# Altium PCB Goldstrike1_Rev01.PcbDoc (part 1 of 7) (continued)
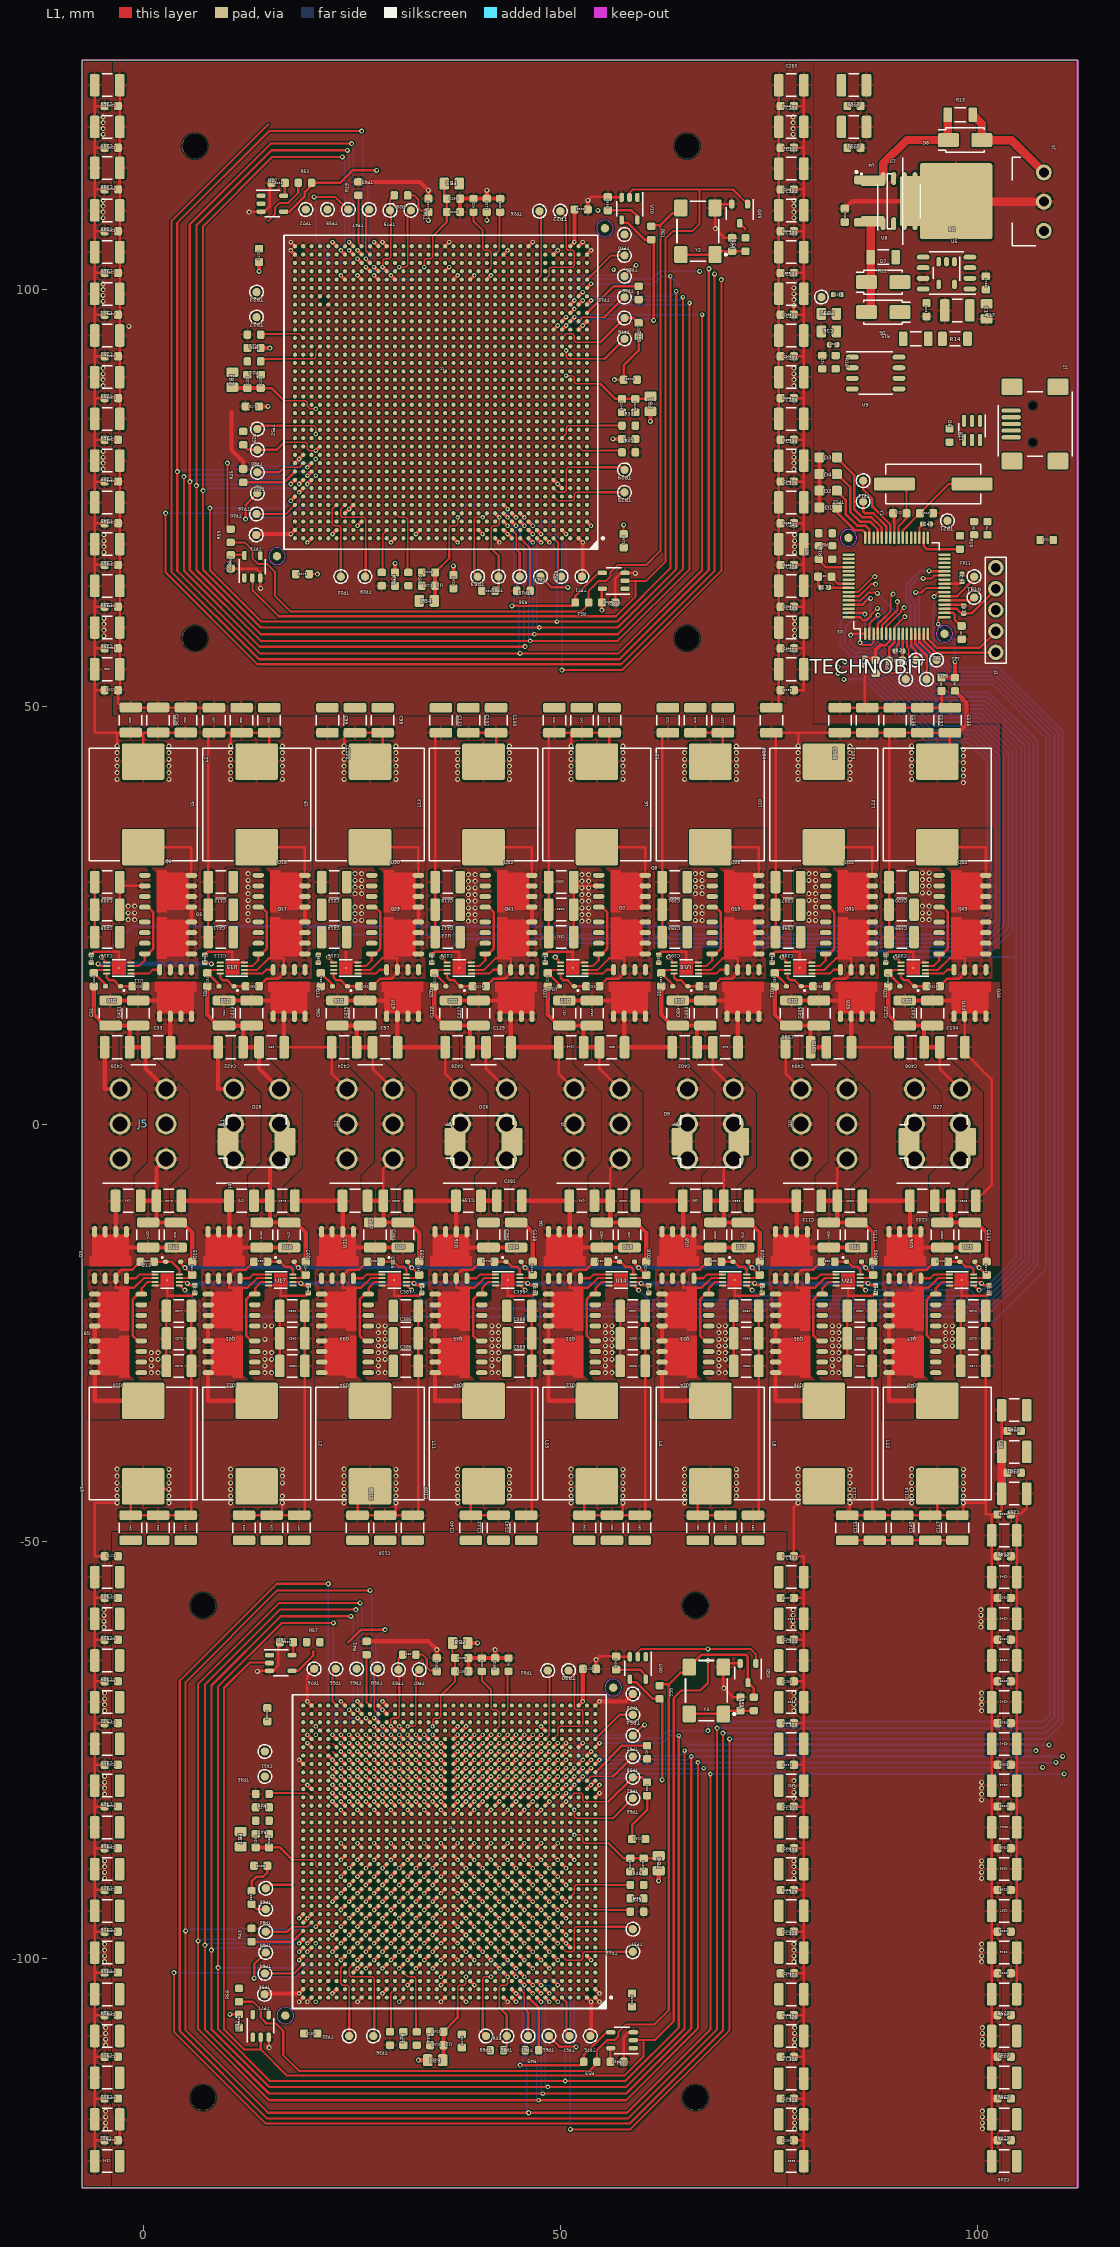
[diagram p0: L1 view]
## Design rules (kind name [scope] priority, off if disabled: settings) (continued)
PlaneConnect "Power Plane Connect Style for J12-3" [(Name='J12-3')] p36: planeconnectstyle=Relief reliefexpansion=0.3 reliefentries=4 reliefconductorwidth=0.38 reliefairgap=0.254
PlaneConnect "Power Plane Connect Style for J12-2" [(Name='J12-2')] p37: planeconnectstyle=Relief reliefexpansion=0.3 reliefentries=4 reliefconductorwidth=0.38 reliefairgap=0.254
PlaneConnect "Power Plane Connect Style for J12-1" [(Name='J12-1')] p38: planeconnectstyle=Relief reliefexpansion=0.3 reliefentries=4 reliefconductorwidth=0.38 reliefairgap=0.254
PlaneConnect "Power Plane Connect Style for J11-6" [(Name='J11-6')] p39: planeconnectstyle=Relief reliefexpansion=0.3 reliefentries=4 reliefconductorwidth=0.38 reliefairgap=0.254
PlaneConnect "Power Plane Connect Style for J11-5" [(Name='J11-5')] p40: planeconnectstyle=Relief reliefexpansion=0.3 reliefentries=4 reliefconductorwidth=0.38 reliefairgap=0.254
PlaneConnect "Power Plane Connect Style for J11-4" [(Name='J11-4')] p41: planeconnectstyle=Relief reliefexpansion=0.3 reliefentries=4 reliefconductorwidth=0.38 reliefairgap=0.254
PlaneConnect "Power Plane Connect Style for J11-3" [(Name='J11-3')] p42: planeconnectstyle=Relief reliefexpansion=0.3 reliefentries=4 reliefconductorwidth=0.38 reliefairgap=0.254
PlaneConnect "Power Plane Connect Style for J11-2" [(Name='J11-2')] p43: planeconnectstyle=Relief reliefexpansion=0.3 reliefentries=4 reliefconductorwidth=0.38 reliefairgap=0.254
PlaneConnect "Power Plane Connect Style for J11-1" [(Name='J11-1')] p44: planeconnectstyle=Relief reliefexpansion=0.3 reliefentries=4 reliefconductorwidth=0.38 reliefairgap=0.254
PlaneConnect "Power Plane Connect Style for J10-6" [(Name='J10-6')] p45: planeconnectstyle=Relief reliefexpansion=0.3 reliefentries=4 reliefconductorwidth=0.38 reliefairgap=0.254
PlaneConnect "Power Plane Connect Style for J10-5" [(Name='J10-5')] p46: planeconnectstyle=Relief reliefexpansion=0.3 reliefentries=4 reliefconductorwidth=0.38 reliefairgap=0.254
PlaneConnect "Power Plane Connect Style for J10-4" [(Name='J10-4')] p47: planeconnectstyle=Relief reliefexpansion=0.3 reliefentries=4 reliefconductorwidth=0.38 reliefairgap=0.254
PlaneConnect "Power Plane Connect Style for J10-3" [(Name='J10-3')] p48: planeconnectstyle=Relief reliefexpansion=0.3 reliefentries=4 reliefconductorwidth=0.38 reliefairgap=0.254
PlaneConnect "Power Plane Connect Style for J10-2" [(Name='J10-2')] p49: planeconnectstyle=Relief reliefexpansion=0.3 reliefentries=4 reliefconductorwidth=0.38 reliefairgap=0.254
PlaneConnect "Power Plane Connect Style for J10-1" [(Name='J10-1')] p50: planeconnectstyle=Relief reliefexpansion=0.3 reliefentries=4 reliefconductorwidth=0.38 reliefairgap=0.254
PlaneConnect "Power Plane Connect Style for J1-1" [(Name='J1-1')] p51: planeconnectstyle=Relief reliefexpansion=0.3 reliefentries=4 reliefconductorwidth=0.28 reliefairgap=0.2
PlaneConnect "Power Plane Connect Style - pads with no thermal" [(Name='11-1') Or (Name='11-2') Or (Name='11-3') Or (Name='11-4') Or (Name='21-1') Or (Name='21-2') Or (Name='21-3') Or (Name='21-4') Or (Name='J1-3') Or (Name='J2-10') Or (Name='J2-11') Or (Name='J5-5')] p52: planeconnectstyle=NoConnect reliefexpansion=0.508 reliefentries=4 reliefconductorwidth=0.254 reliefairgap=0.254 // PAD - No Thermal Connect Rule
PlaneConnect "Power Plane Connect Style - Via from round thru-hole global defaults" [IsVia] p53: planeconnectstyle=Direct reliefexpansion=0.508 reliefentries=4 reliefconductorwidth=0.5 reliefairgap=0.254
PlaneConnect "Power Plane Connect Style - Round thru-hole pad from global defaults" [IsPad And OnMultiLayer And (PadShape_MidLayer1 = 'Round') And (PadXSize_MidLayer1 = PadYSize_MidLayer1)] p54: planeconnectstyle=Relief reliefexpansion=0.508 reliefentries=4 reliefconductorwidth=0.5 reliefairgap=0.254
PlaneConnect "Power Plane Connect Style - Square thru-hole pad from global defaults" [IsPad And OnMultiLayer And ((PadShape_MidLayer1 = 'Rectangular') Or (PadShape_MidLayer1 = 'Octagonal') Or (PadShape_MidLayer1 = 'Rounded Rectangle')) And (PadXSize_MidLayer1 = PadYSize_MidLayer1)] p55: planeconnectstyle=Relief reliefexpansion=0.508 reliefentries=4 reliefconductorwidth=0.5 reliefairgap=0.254
PlaneConnect "Power Plane Connect Style - Rect thru-hole pad from global defaults" [IsPad And OnMultiLayer And ((PadShape_MidLayer1 = 'Rectangular') Or (PadShape_MidLayer1 = 'Octagonal') Or (PadShape_MidLayer1 = 'Rounded Rectangle')) And (PadXSize_MidLayer1 <> PadYSize_MidLayer1)] p56: planeconnectstyle=Relief reliefexpansion=0.508 reliefentries=4 reliefconductorwidth=0.5 reliefairgap=0.254
PlaneConnect "Power Plane Connect Style - Square-rect thru-hole pad from global defaults" [IsPad And OnMultiLayer And (PadShape_MidLayer1 = 'Rounded Rectangle') And (PadXSize_MidLayer1 = PadYSize_MidLayer1) And (Pad_CornerRadius_MidLayer1 = '0%')] p57: planeconnectstyle=Relief reliefexpansion=0.508 reliefentries=4 reliefconductorwidth=0.5 reliefairgap=0.254
PlaneConnect "Power Plane Connect Style - Oval thru-hole pad from global defaults" [IsPad And OnMultiLayer And (PadShape_MidLayer1 = 'Round') And (PadXSize_MidLayer1 <> PadYSize_MidLayer1)] p58: planeconnectstyle=Relief reliefexpansion=0.508 reliefentries=4 reliefconductorwidth=0.5 reliefairgap=0.254
PlaneConnect "Power Plane Connect Style - Round-oval thru-hole pad from global defaults" [IsPad And OnMultiLayer And (PadShape_MidLayer1 = 'Rounded Rectangle') And (PadXSize_MidLayer1 = PadYSize_MidLayer1) And (Pad_CornerRadius_MidLayer1 = '100%')] p59: planeconnectstyle=Relief reliefexpansion=0.508 reliefentries=4 reliefconductorwidth=0.5 reliefairgap=0.254
PolygonConnect "Polygon Connect Style - L4 Round SMD from global defaults" [IsSMTPin And (PadShape_BottomLayer = 'Round') And (PadXSize_BottomLayer = PADYSize_BottomLayer) vs Layer = 'L4'] p1: connectstyle=Relief reliefconductorwidth=0.3 reliefentries=4 polygonreliefangle="45 Angle" airgapwidth=0.254
PolygonConnect "Polygon Connect Style - L1 Round SMD from global defaults" [IsSMTPin And (PadShape_TopLayer = 'Round') And (PadXSize_TopLayer = PADYSize_TopLayer) vs Layer = 'L1'] p2: connectstyle=Relief reliefconductorwidth=0.3 reliefentries=4 polygonreliefangle="45 Angle" airgapwidth=0.254
PolygonConnect "Polygon Connect Style - L4 Square SMD from global defaults 1" [IsSMTPin And (PadShape_BottomLayer = 'Rectangular') And (PadXSize_BottomLayer = PADYSize_BottomLayer) vs Layer = 'L4'] p3: connectstyle=Relief reliefconductorwidth=0.3 reliefentries=4 polygonreliefangle="90 Angle" airgapwidth=0.254
PolygonConnect "Polygon Connect Style - L4 Square SMD from global defaults 2" [IsSMTPin And (PadShape_BottomLayer = 'Octagonal') And (PadXSize_BottomLayer = PADYSize_BottomLayer) vs Layer = 'L4'] p4: connectstyle=Relief reliefconductorwidth=0.3 reliefentries=4 polygonreliefangle="90 Angle" airgapwidth=0.254
PolygonConnect "Polygon Connect Style - L4 Square SMD from global defaults 3" [IsSMTPin And (PadShape_BottomLayer = 'Rounded Rectangle') And (PadXSize_BottomLayer = PADYSize_BottomLayer) vs Layer = 'L4'] p5: connectstyle=Relief reliefconductorwidth=0.3 reliefentries=4 polygonreliefangle="90 Angle" airgapwidth=0.254
PolygonConnect "Polygon Connect Style - L1 Square SMD from global defaults 1" [IsSMTPin And (PadShape_TopLayer = 'Rectangular') And (PadXSize_TopLayer = PADYSize_TopLayer) vs Layer = 'L1'] p6: connectstyle=Relief reliefconductorwidth=0.3 reliefentries=4 polygonreliefangle="90 Angle" airgapwidth=0.254
PolygonConnect "Polygon Connect Style - L1 Square SMD from global defaults 2" [IsSMTPin And (PadShape_TopLayer = 'Octagonal') And (PadXSize_TopLayer = PADYSize_TopLayer) vs Layer = 'L1'] p7: connectstyle=Relief reliefconductorwidth=0.3 reliefentries=4 polygonreliefangle="90 Angle" airgapwidth=0.254
PolygonConnect "Polygon Connect Style - L1 Square SMD from global defaults 3" [IsSMTPin And (PadShape_TopLayer = 'Rounded Rectangle') And (PadXSize_TopLayer = PADYSize_TopLayer) vs Layer = 'L1'] p8: connectstyle=Relief reliefconductorwidth=0.3 reliefentries=4 polygonreliefangle="90 Angle" airgapwidth=0.254
PolygonConnect "Polygon Connect Style - L4 Rect SMD from global defaults 1" [IsSMTPin And (PadShape_BottomLayer = 'Rectangular') And (PadXSize_BottomLayer <> PADYSize_BottomLayer) vs Layer = 'L4'] p9: connectstyle=Relief reliefconductorwidth=0.3 reliefentries=4 polygonreliefangle="90 Angle" airgapwidth=0.254
PolygonConnect "Polygon Connect Style - L4 Rect SMD from global defaults 2" [IsSMTPin And (PadShape_BottomLayer = 'Octagonal') And (PadXSize_BottomLayer <> PADYSize_BottomLayer) vs Layer = 'L4'] p10: connectstyle=Relief reliefconductorwidth=0.3 reliefentries=4 polygonreliefangle="90 Angle" airgapwidth=0.254
PolygonConnect "Polygon Connect Style - L4 Rect SMD from global defaults 3" [IsSMTPin And (PadShape_BottomLayer = 'Rounded Rectangle') And (PadXSize_BottomLayer <> PADYSize_BottomLayer) vs Layer = 'L4'] p11: connectstyle=Relief reliefconductorwidth=0.3 reliefentries=4 polygonreliefangle="90 Angle" airgapwidth=0.254
PolygonConnect "Polygon Connect Style - L4 Square-rect SMD pad from global defaults" [IsSMTPin And (PadShape_BottomLayer = 'Rounded Rectangle') And (PadXSize_BottomLayer = PADYSize_BottomLayer) And (Pad_CornerRadius_BottomLayer = '0%') vs Layer = 'L4'] p12: connectstyle=Relief reliefconductorwidth=0.3 reliefentries=4 polygonreliefangle="90 Angle" airgapwidth=0.254
PolygonConnect "Polygon Connect Style - L1 Rect SMD from global defaults 1" [IsSMTPin And (PadShape_TopLayer = 'Rectangular') And (PadXSize_TopLayer <> PADYSize_TopLayer) vs Layer = 'L1'] p13: connectstyle=Relief reliefconductorwidth=0.3 reliefentries=4 polygonreliefangle="90 Angle" airgapwidth=0.254
PolygonConnect "Polygon Connect Style - L1 Rect SMD from global defaults 2" [IsSMTPin And (PadShape_TopLayer = 'Octagonal') And (PadXSize_TopLayer <> PADYSize_TopLayer) vs Layer = 'L1'] p14: connectstyle=Relief reliefconductorwidth=0.3 reliefentries=4 polygonreliefangle="90 Angle" airgapwidth=0.254
PolygonConnect "Polygon Connect Style - L1 Rect SMD from global defaults 3" [IsSMTPin And (PadShape_TopLayer = 'Rounded Rectangle') And (PadXSize_TopLayer <> PADYSize_TopLayer) vs Layer = 'L1'] p15: connectstyle=Relief reliefconductorwidth=0.3 reliefentries=4 polygonreliefangle="90 Angle" airgapwidth=0.254
PolygonConnect "Polygon Connect Style - L1 Square-rect SMD pad from global defaults" [IsSMTPin And (PadShape_TopLayer = 'Rounded Rectangle') And (PadXSize_TopLayer = PADYSize_TopLayer) And (Pad_CornerRadius_TopLayer = '0%') vs Layer = 'L1'] p16: connectstyle=Relief reliefconductorwidth=0.3 reliefentries=4 polygonreliefangle="90 Angle" airgapwidth=0.254
PolygonConnect "Polygon Connect Style - L4 Oval SMD from global defaults" [IsSMTPin And (PadShape_BottomLayer = 'Round') And (PadXSize_BottomLayer <> PADYSize_BottomLayer) vs Layer = 'L4'] p17: connectstyle=Relief reliefconductorwidth=0.3 reliefentries=4 polygonreliefangle="45 Angle" airgapwidth=0.254
PolygonConnect "Polygon Connect Style - L4 Round-oval SMD pad from global defaults" [IsSMTPin And (PadShape_BottomLayer = 'Rounded Rectangle') And (PadXSize_BottomLayer = PADYSize_BottomLayer) And (Pad_CornerRadius_BottomLayer = '100%') vs Layer = 'L4'] p18: connectstyle=Relief reliefconductorwidth=0.3 reliefentries=4 polygonreliefangle="45 Angle" airgapwidth=0.254
PolygonConnect "Polygon Connect Style - L1 Oval SMD from global defaults" [IsSMTPin And (PadShape_TopLayer = 'Round') And (PadXSize_TopLayer <> PADYSize_TopLayer) vs Layer = 'L1'] p19: connectstyle=Relief reliefconductorwidth=0.3 reliefentries=4 polygonreliefangle="45 Angle" airgapwidth=0.254
PolygonConnect "Polygon Connect Style - L1 Round-oval SMD pad from global defaults" [IsSMTPin And (PadShape_TopLayer = 'Rounded Rectangle') And (PadXSize_TopLayer = PADYSize_TopLayer) And (Pad_CornerRadius_TopLayer = '100%') vs Layer = 'L1'] p20: connectstyle=Relief reliefconductorwidth=0.3 reliefentries=4 polygonreliefangle="45 Angle" airgapwidth=0.254
PolygonConnect "Polygon Connect Style - Via from round thru-hole global defaults_62" [IsVia] p21: connectstyle=Direct reliefconductorwidth=0.5 reliefentries=4 polygonreliefangle="90 Angle" airgapwidth=0.254
PolygonConnect "Polygon Connect Style - L4 Round thru-hole pad from global defaults" [IsPad And OnMultiLayer And (PadShape_BottomLayer = 'Round') And (PadXSize_BottomLayer = PADYSize_BottomLayer) vs Layer = 'L4'] p22: connectstyle=Relief reliefconductorwidth=0.5 reliefentries=4 polygonreliefangle="90 Angle" airgapwidth=0.254
PolygonConnect "Polygon Connect Style - Via from round thru-hole global defaults_61" [IsVia] p23: connectstyle=Direct reliefconductorwidth=0.5 reliefentries=4 polygonreliefangle="90 Angle" airgapwidth=0.254
PolygonConnect "Polygon Connect Style - L3 Round thru-hole pad from global defaults" [IsPad And OnMultiLayer And (PadShape_MidLayer1 = 'Round') And (PadXSize_MidLayer1 = PADYSize_MidLayer1) vs Layer = 'L3'] p24: connectstyle=Relief reliefconductorwidth=0.5 reliefentries=4 polygonreliefangle="90 Angle" airgapwidth=0.254
PolygonConnect "Polygon Connect Style - Via from round thru-hole global defaults" [IsVia] p25: connectstyle=Direct reliefconductorwidth=0.5 reliefentries=4 polygonreliefangle="90 Angle" airgapwidth=0.254
PolygonConnect "Polygon Connect Style - L1 Round thru-hole pad from global defaults" [IsPad And OnMultiLayer And (PadShape_TopLayer = 'Round') And (PadXSize_TopLayer = PADYSize_TopLayer) vs Layer = 'L1'] p26: connectstyle=Relief reliefconductorwidth=0.5 reliefentries=4 polygonreliefangle="90 Angle" airgapwidth=0.254
PolygonConnect "Polygon Connect Style - L4 Square thru-hole pad from global defaults" [IsPad And OnMultiLayer And ((PadShape_BottomLayer = 'Rectangular') Or (PadShape_BottomLayer = 'Octagonal') Or (PadShape_BottomLayer = 'Rounded Rectangle')) And (PadXSize_BottomLayer = PADYSize_BottomLayer) vs Layer = 'L4'] p27: connectstyle=Relief reliefconductorwidth=0.5 reliefentries=4 polygonreliefangle="90 Angle" airgapwidth=0.254
PolygonConnect "Polygon Connect Style - L3 Square thru-hole pad from global defaults" [IsPad And OnMultiLayer And ((PadShape_MidLayer1 = 'Rectangular') Or (PadShape_MidLayer1 = 'Octagonal') Or (PadShape_MidLayer1 = 'Rounded Rectangle')) And (PadXSize_MidLayer1 = PADYSize_MidLayer1) vs Layer = 'L3'] p28: connectstyle=Relief reliefconductorwidth=0.5 reliefentries=4 polygonreliefangle="90 Angle" airgapwidth=0.254
PolygonConnect "Polygon Connect Style - L1 Square thru-hole pad from global defaults" [IsPad And OnMultiLayer And ((PadShape_TopLayer = 'Rectangular') Or (PadShape_TopLayer = 'Octagonal') Or (PadShape_TopLayer = 'Rounded Rectangle')) And (PadXSize_TopLayer = PADYSize_TopLayer) vs Layer = 'L1'] p29: connectstyle=Relief reliefconductorwidth=0.5 reliefentries=4 polygonreliefangle="90 Angle" airgapwidth=0.254
PolygonConnect "Polygon Connect Style - L4 Rect thru-hole pad from global defaults" [IsPad And OnMultiLayer And ((PadShape_BottomLayer = 'Rectangular') Or (PadShape_BottomLayer = 'Octagonal') Or (PadShape_BottomLayer = 'Rounded Rectangle')) And (PadXSize_BottomLayer <> PADYSize_BottomLayer) vs Layer = 'L4'] p30: connectstyle=Relief reliefconductorwidth=0.5 reliefentries=4 polygonreliefangle="90 Angle" airgapwidth=0.254
PolygonConnect "Polygon Connect Style - L4 Square-rect thru-hole pad from global defaults" [IsPad And OnMultiLayer And (PadShape_BottomLayer = 'Rounded Rectangle') And (PadXSize_BottomLayer = PADYSize_BottomLayer) And (Pad_CornerRadius_BottomLayer = '0%') vs Layer = 'L4'] p31: connectstyle=Relief reliefconductorwidth=0.5 reliefentries=4 polygonreliefangle="90 Angle" airgapwidth=0.254
PolygonConnect "Polygon Connect Style - L3 Rect thru-hole pad from global defaults" [IsPad And OnMultiLayer And ((PadShape_MidLayer1 = 'Rectangular') Or (PadShape_MidLayer1 = 'Octagonal') Or (PadShape_MidLayer1 = 'Rounded Rectangle')) And (PadXSize_MidLayer1 <> PADYSize_MidLayer1) vs Layer = 'L3'] p32: connectstyle=Relief reliefconductorwidth=0.5 reliefentries=4 polygonreliefangle="90 Angle" airgapwidth=0.254
PolygonConnect "Polygon Connect Style - L3 Square-rect thru-hole pad from global defaults" [IsPad And OnMultiLayer And (PadShape_MidLayer1 = 'Rounded Rectangle') And (PadXSize_MidLayer1 = PADYSize_MidLayer1) And (Pad_CornerRadius_MidLayer1 = '0%') vs Layer = 'L3'] p33: connectstyle=Relief reliefconductorwidth=0.5 reliefentries=4 polygonreliefangle="90 Angle" airgapwidth=0.254
PolygonConnect "Polygon Connect Style - L1 Rect thru-hole pad from global defaults" [IsPad And OnMultiLayer And ((PadShape_TopLayer = 'Rectangular') Or (PadShape_TopLayer = 'Octagonal') Or (PadShape_TopLayer = 'Rounded Rectangle')) And (PadXSize_TopLayer <> PADYSize_TopLayer) vs Layer = 'L1'] p34: connectstyle=Relief reliefconductorwidth=0.5 reliefentries=4 polygonreliefangle="90 Angle" airgapwidth=0.254
PolygonConnect "Polygon Connect Style - L1 Square-rect thru-hole pad from global defaults" [IsPad And OnMultiLayer And (PadShape_TopLayer = 'Rounded Rectangle') And (PadXSize_TopLayer = PADYSize_TopLayer) And (Pad_CornerRadius_TopLayer = '0%') vs Layer = 'L1'] p35: connectstyle=Relief reliefconductorwidth=0.5 reliefentries=4 polygonreliefangle="90 Angle" airgapwidth=0.254
PolygonConnect "Polygon Connect Style - L4 Oval thru-hole pad from global defaults" [IsPad And OnMultiLayer And (PadShape_BottomLayer = 'Round') And (PadXSize_BottomLayer <> PADYSize_BottomLayer) vs Layer = 'L4'] p36: connectstyle=Relief reliefconductorwidth=0.5 reliefentries=4 polygonreliefangle="90 Angle" airgapwidth=0.254
PolygonConnect "Polygon Connect Style - L4 Round-oval thru-hole pad from global defaults" [IsPad And OnMultiLayer And (PadShape_BottomLayer = 'Rounded Rectangle') And (PadXSize_BottomLayer = PADYSize_BottomLayer) And (Pad_CornerRadius_BottomLayer = '100%') vs Layer = 'L4'] p37: connectstyle=Relief reliefconductorwidth=0.5 reliefentries=4 polygonreliefangle="90 Angle" airgapwidth=0.254
PolygonConnect "Polygon Connect Style - L3 Oval thru-hole pad from global defaults" [IsPad And OnMultiLayer And (PadShape_MidLayer1 = 'Round') And (PadXSize_MidLayer1 <> PADYSize_MidLayer1) vs Layer = 'L3'] p38: connectstyle=Relief reliefconductorwidth=0.5 reliefentries=4 polygonreliefangle="90 Angle" airgapwidth=0.254
PolygonConnect "Polygon Connect Style - L3 Round-oval thru-hole pad from global defaults" [IsPad And OnMultiLayer And (PadShape_MidLayer1 = 'Rounded Rectangle') And (PadXSize_MidLayer1 = PADYSize_MidLayer1) And (Pad_CornerRadius_MidLayer1 = '100%') vs Layer = 'L3'] p39: connectstyle=Relief reliefconductorwidth=0.5 reliefentries=4 polygonreliefangle="90 Angle" airgapwidth=0.254
PolygonConnect "Polygon Connect Style - L1 Oval thru-hole pad from global defaults" [IsPad And OnMultiLayer And (PadShape_TopLayer = 'Round') And (PadXSize_TopLayer <> PADYSize_TopLayer) vs Layer = 'L1'] p40: connectstyle=Relief reliefconductorwidth=0.5 reliefentries=4 polygonreliefangle="90 Angle" airgapwidth=0.254
PolygonConnect "Polygon Connect Style - L1 Round-oval thru-hole pad from global defaults" [IsPad And OnMultiLayer And (PadShape_TopLayer = 'Rounded Rectangle') And (PadXSize_TopLayer = PADYSize_TopLayer) And (Pad_CornerRadius_TopLayer = '100%') vs Layer = 'L1'] p41: connectstyle=Relief reliefconductorwidth=0.5 reliefentries=4 polygonreliefangle="90 Angle" airgapwidth=0.254
PolygonConnect [All] p42: connectstyle=Relief reliefconductorwidth=0.254 reliefentries=4 polygonreliefangle="90 Angle" airgapwidth=0.254
RoutingLayers "'Default' PADS rule_3" [All] p1: top layer_v5=TRUE mid layer 1_v5=TRUE bottom layer_v5=TRUE
RoutingPriority "'Default' PADS rule_2" [All] p1: routingpriority=3
RoutingTopology "'Default' PADS rule" [All] p1: topology=Shortest
RoutingVias "'Default' PADS rule_4" [All] p1: holewidth=0.3 width=0.6 viastyle="Through Hole" minholewidth=0.3 minwidth=0.6 maxholewidth=0.3 maxwidth=0.6
SMDToCorner "'All on Layer' PADS rule_48" [OnLayer('L2') vs OnLayer('L2')] p1: distance=39370
SMDToCorner "'All on Layer' PADS rule_33" [OnLayer('L3') vs OnLayer('L3')] p2: distance=39370
SMDToCorner "'Default' PADS rule_17" [All] p3: distance=39370
SMDToPlane "'All on Layer' PADS rule_49" [OnLayer('L2') vs OnLayer('L2')] p1: distance=39370
SMDToPlane "'All on Layer' PADS rule_34" [OnLayer('L3') vs OnLayer('L3')] p2: distance=39370
SMDToPlane "'Default' PADS rule_18" [All] p3: distance=39370
SolderMaskExpansion [All] p1: expansion=0.102
StubLength "'Default' PADS rule_6" [All] p1: limit=25.4
Width "'All on Layer' PADS rule_46" [OnLayer('L2') vs OnLayer('L2')] p1: maxlimit=3 minlimit=0.25 preferedwidth=0.3
Width "'All on Layer' PADS rule" [OnLayer('L3') vs OnLayer('L3')] p2: maxlimit=3 minlimit=0.25 preferedwidth=0.3
Width "'Default' PADS rule_14" [All] p3: maxlimit=3 minlimit=0.15 preferedwidth=0.3
22 further rules are at their usual default settings.

## Components (designator, comment, footprint, x,y, rotation, side; value= is the part's Value field where it differs from the comment)
11 "AH2-120" AH2-120 35.7,87.7 r0 top
21 "AH2-120" AH2-120 36.7,-87.2 r0 top
C1 "SMD_0603_CAPC1608X95N" SMD_0603_CAPC1608X95N 98.1,58.9 r270 top
C2 "SMD_0603_CAPC1608X95N" SMD_0603_CAPC1608X95N 81.7,65.6 r180 top
C3 "SMD_0603_CAPC1608X95N" SMD_0603_CAPC1608X95N 95.7,52.7 r270 top
C4 "SMD_0402_CAPC1005X55N" SMD_0402_CAPC1005X55N 93.9,71.9 r0 top
C5 "SMD_0402_CAPC1005X55N" SMD_0402_CAPC1005X55N 86.5,55.4 r270 top
C6 "SMD_0402_CAPC1005X55N" SMD_0402_CAPC1005X55N 98.35,61.65 r90 top
C7 "SMD_0402_CAPC1005X55N" SMD_0402_CAPC1005X55N 81.7,64.3 r180 top
C8 "SMD_0402_CAPC1005X55N" SMD_0402_CAPC1005X55N 90.6,56.7 r180 top
C9 "SMD_0402_CAPC1005X55N" SMD_0402_CAPC1005X55N 98.15,65.45 r270 top
C10 "SMD_0603_CAPC1608X95N" SMD_0603_CAPC1608X95N 93.9,73.2 r0 top
C11 "SMD_0603_CAPC1608X95N" SMD_0603_CAPC1608X95N 90.7,73.2 r180 top
C12 "SMD_0603_CAPC1608X95N" SMD_0603_CAPC1608X95N 84.1,108.9 r90 top
C13 "SMD_1210_CAPC3225X279N" SMD_1210_CAPC3225X279N 97.6,97.5 r0 top
C14 "SMD_0805_CAPC2012X145N" SMD_0805_CAPC2012X145N 101.1,97.4 r270 top
C15 "SMD_0603_CAPC1608X95N" SMD_0603_CAPC1608X95N 93.9,97.6 r270 top
C16 "SMD_0805_CAPC2012X145N" SMD_0805_CAPC2012X145N 82.2,95 r180 top
C17 "SMD_0402_CAPC1005X55N" SMD_0402_CAPC1005X55N 82.7,93.4 r180 top
C18 "SMD_0402_CAPC1005X55N" SMD_0402_CAPC1005X55N 83.2,99.4 r0 top
C19 "SMD_0603_CAPC1608X95N" SMD_0603_CAPC1608X95N 77.2,102 r0 top
C20 "SMD_0603_CAPC1608X95N" SMD_0603_CAPC1608X95N -5.9,17.3 r90 top
C21 "SMD_0603_CAPC1608X95N" SMD_0603_CAPC1608X95N 48.5,17.3 r90 top
C22 "SMD_0603_CAPC1608X95N" SMD_0603_CAPC1608X95N 5.9,-17.3 r270 top
C23 "SMD_0603_CAPC1608X95N" SMD_0603_CAPC1608X95N 60.3,-17.3 r270 top
C24 "SMD_0402_CAPC1005X55N" SMD_0402_CAPC1005X55N -6.2,19.8 r90 top
C25 "SMD_0402_CAPC1005X55N" SMD_0402_CAPC1005X55N 48.2,19.8 r90 top
C26 "SMD_0402_CAPC1005X55N" SMD_0402_CAPC1005X55N 6.2,-19.8 r270 top
C27 "SMD_0402_CAPC1005X55N" SMD_0402_CAPC1005X55N 60.6,-19.8 r270 top
C28 "SMD_0603_CAPC1608X95N" SMD_0603_CAPC1608X95N -0.5,16.5 r0 top
C29 "SMD_0603_CAPC1608X95N" SMD_0603_CAPC1608X95N 53.9,16.5 r0 top
C30 "SMD_0603_CAPC1608X95N" SMD_0603_CAPC1608X95N 0.5,-16.5 r180 top
C31 "SMD_0603_CAPC1608X95N" SMD_0603_CAPC1608X95N 54.9,-16.5 r180 top
C32 "SMD_1210_CAPC3225X270N" SMD_1210_CAPC3225X270N -3.9,13.3 r90 top
C33 "SMD_1210_CAPC3225X270N" SMD_1210_CAPC3225X270N 1.8,9.2 r0 top
C34 "SMD_1210_CAPC3225X279N" SMD_1210_CAPC3225X279N 5.108,48.415 r270 top
C35 "SMD_1210_CAPC3225X279N" SMD_1210_CAPC3225X279N -1.492,48.415 r270 top
C36 "SMD_1210_CAPC3225X279N" SMD_1210_CAPC3225X279N -4.3,54.5 r180 top
C37 "SMD_1210_CAPC3225X270N" SMD_1210_CAPC3225X270N 50.5,13.3 r90 top
C38 "SMD_1210_CAPC3225X270N" SMD_1210_CAPC3225X270N 56.2,9.2 r0 top
C39 "SMD_1210_CAPC3225X279N" SMD_1210_CAPC3225X279N 55.9,48.4 r270 top
C40 "SMD_1210_CAPC3225X279N" SMD_1210_CAPC3225X279N 49.3,48.4 r270 top
C41 "SMD_1210_CAPC3225X279N" SMD_1210_CAPC3225X279N 52.6,48.4 r270 top
C42 "SMD_1210_CAPC3225X270N" SMD_1210_CAPC3225X270N 3.9,-13.3 r270 top
C43 "SMD_1210_CAPC3225X270N" SMD_1210_CAPC3225X270N -1.8,-9.2 r180 top
C44 "SMD_1210_CAPC3225X279N" SMD_1210_CAPC3225X279N -1.5,-48.4 r90 top
C45 "SMD_1210_CAPC3225X279N" SMD_1210_CAPC3225X279N 5.1,-48.4 r90 top
C46 "SMD_1210_CAPC3225X279N" SMD_1210_CAPC3225X279N 1.8,-48.4 r90 top
C47 "SMD_1210_CAPC3225X270N" SMD_1210_CAPC3225X270N 58.3,-13.3 r270 top
C48 "SMD_1210_CAPC3225X270N" SMD_1210_CAPC3225X270N 52.6,-9.2 r180 top
C49 "SMD_1210_CAPC3225X279N" SMD_1210_CAPC3225X279N 52.9,-48.4 r90 top
C50 "SMD_1210_CAPC3225X279N" SMD_1210_CAPC3225X279N 59.5,-48.4 r90 top
C51 "SMD_1210_CAPC3225X279N" SMD_1210_CAPC3225X279N 56.2,-48.4 r90 top
C52 "SMD_0603_CAPC1608X95N" SMD_0603_CAPC1608X95N 7.7,17.3 r90 top
C53 "SMD_0603_CAPC1608X95N" SMD_0603_CAPC1608X95N 62.1,17.3 r90 top
C54 "SMD_0603_CAPC1608X95N" SMD_0603_CAPC1608X95N 19.5,-17.3 r270 top
C55 "SMD_0603_CAPC1608X95N" SMD_0603_CAPC1608X95N 73.9,-17.3 r270 top
C56 "SMD_0402_CAPC1005X55N" SMD_0402_CAPC1005X55N 7.4,19.8 r90 top
C57 "SMD_0402_CAPC1005X55N" SMD_0402_CAPC1005X55N 61.8,19.8 r90 top
C58 "SMD_0402_CAPC1005X55N" SMD_0402_CAPC1005X55N 19.8,-19.8 r270 top
C59 "SMD_0402_CAPC1005X55N" SMD_0402_CAPC1005X55N 74.2,-19.8 r270 top
C60 "SMD_0603_CAPC1608X95N" SMD_0603_CAPC1608X95N 13.1,16.5 r0 top
C61 "SMD_0603_CAPC1608X95N" SMD_0603_CAPC1608X95N 67.5,16.5 r0 top
C62 "SMD_0603_CAPC1608X95N" SMD_0603_CAPC1608X95N 14.1,-16.5 r180 top
C63 "SMD_0603_CAPC1608X95N" SMD_0603_CAPC1608X95N 68.5,-16.5 r180 top
C64 "SMD_1210_CAPC3225X270N" SMD_1210_CAPC3225X270N 9.7,13.3 r90 top
C65 "SMD_1210_CAPC3225X270N" SMD_1210_CAPC3225X270N 15.4,9.2 r0 top
C66 "SMD_1210_CAPC3225X279N" SMD_1210_CAPC3225X279N 15.1,48.4 r270 top
C67 "SMD_1210_CAPC3225X279N" SMD_1210_CAPC3225X279N 8.5,48.4 r270 top
C68 "SMD_1210_CAPC3225X279N" SMD_1210_CAPC3225X279N 11.8,48.4 r270 top
C69 "SMD_1210_CAPC3225X270N" SMD_1210_CAPC3225X270N 64.1,13.3 r90 top
C70 "SMD_1210_CAPC3225X270N" SMD_1210_CAPC3225X270N 69.8,9.2 r0 top
C71 "SMD_1210_CAPC3225X279N" SMD_1210_CAPC3225X279N 69.5,48.4 r270 top
C72 "SMD_1210_CAPC3225X279N" SMD_1210_CAPC3225X279N 62.9,48.4 r270 top
C73 "SMD_1210_CAPC3225X279N" SMD_1210_CAPC3225X279N 66.2,48.4 r270 top
C74 "SMD_1210_CAPC3225X270N" SMD_1210_CAPC3225X270N 17.5,-13.3 r270 top
C75 "SMD_1210_CAPC3225X270N" SMD_1210_CAPC3225X270N 11.8,-9.2 r180 top
C76 "SMD_1210_CAPC3225X279N" SMD_1210_CAPC3225X279N 12.1,-48.4 r90 top
C77 "SMD_1210_CAPC3225X279N" SMD_1210_CAPC3225X279N 18.7,-48.4 r90 top
C78 "SMD_1210_CAPC3225X279N" SMD_1210_CAPC3225X279N 15.4,-48.4 r90 top
C79 "SMD_1210_CAPC3225X270N" SMD_1210_CAPC3225X270N 71.9,-13.3 r270 top
C80 "SMD_1210_CAPC3225X270N" SMD_1210_CAPC3225X270N 66.2,-9.2 r180 top
C81 "SMD_1210_CAPC3225X279N" SMD_1210_CAPC3225X279N 66.5,-48.4 r90 top
C82 "SMD_1210_CAPC3225X279N" SMD_1210_CAPC3225X279N 73.1,-48.4 r90 top
C83 "SMD_1210_CAPC3225X279N" SMD_1210_CAPC3225X279N 69.8,-48.4 r90 top
C84 "SMD_0603_CAPC1608X95N" SMD_0603_CAPC1608X95N 21.3,17.3 r90 top
C85 "SMD_0603_CAPC1608X95N" SMD_0603_CAPC1608X95N 75.7,17.3 r90 top
C86 "SMD_0603_CAPC1608X95N" SMD_0603_CAPC1608X95N 33.1,-17.3 r270 top
C87 "SMD_0603_CAPC1608X95N" SMD_0603_CAPC1608X95N 87.5,-17.3 r270 top
C88 "SMD_0402_CAPC1005X55N" SMD_0402_CAPC1005X55N 21,19.8 r90 top
C89 "SMD_0402_CAPC1005X55N" SMD_0402_CAPC1005X55N 75.4,19.8 r90 top
C90 "SMD_0402_CAPC1005X55N" SMD_0402_CAPC1005X55N 33.4,-19.8 r270 top
C91 "SMD_0402_CAPC1005X55N" SMD_0402_CAPC1005X55N 87.8,-19.8 r270 top
C92 "SMD_0603_CAPC1608X95N" SMD_0603_CAPC1608X95N 26.7,16.5 r0 top
C93 "SMD_0603_CAPC1608X95N" SMD_0603_CAPC1608X95N 81.1,16.5 r0 top
C94 "SMD_0603_CAPC1608X95N" SMD_0603_CAPC1608X95N 27.7,-16.5 r180 top
C95 "SMD_0603_CAPC1608X95N" SMD_0603_CAPC1608X95N 82.1,-16.5 r180 top
C96 "SMD_1210_CAPC3225X270N" SMD_1210_CAPC3225X270N 23.3,13.3 r90 top
C97 "SMD_1210_CAPC3225X270N" SMD_1210_CAPC3225X270N 29,9.2 r0 top
C98 "SMD_1210_CAPC3225X279N" SMD_1210_CAPC3225X279N 28.7,48.4 r270 top
C99 "SMD_1210_CAPC3225X279N" SMD_1210_CAPC3225X279N 22.1,48.4 r270 top
C100 "SMD_1210_CAPC3225X279N" SMD_1210_CAPC3225X279N 25.4,48.4 r270 top
C101 "SMD_1210_CAPC3225X270N" SMD_1210_CAPC3225X270N 77.7,13.3 r90 top
C102 "SMD_1210_CAPC3225X270N" SMD_1210_CAPC3225X270N 83.4,9.2 r0 top
C103 "SMD_1210_CAPC3225X279N" SMD_1210_CAPC3225X279N 86.8,48.4 r270 top
C104 "SMD_1210_CAPC3225X279N" SMD_1210_CAPC3225X279N 75.3,48.4 r270 top
C105 "SMD_1210_CAPC3225X279N" SMD_1210_CAPC3225X279N 83.5,48.4 r270 top
C106 "SMD_1210_CAPC3225X270N" SMD_1210_CAPC3225X270N 31.1,-13.3 r270 top
C107 "SMD_1210_CAPC3225X270N" SMD_1210_CAPC3225X270N 25.4,-9.2 r180 top
C108 "SMD_1210_CAPC3225X279N" SMD_1210_CAPC3225X279N 25.7,-48.4 r90 top
C109 "SMD_1210_CAPC3225X279N" SMD_1210_CAPC3225X279N 32.3,-48.4 r90 top
C110 "SMD_1210_CAPC3225X279N" SMD_1210_CAPC3225X279N 29,-48.4 r90 top
C111 "SMD_1210_CAPC3225X270N" SMD_1210_CAPC3225X270N 85.5,-13.3 r270 top
C112 "SMD_1210_CAPC3225X270N" SMD_1210_CAPC3225X270N 79.8,-9.2 r180 top
C113 "SMD_1210_CAPC3225X279N" SMD_1210_CAPC3225X279N 84.39,-48.4 r90 top
C114 "SMD_1210_CAPC3225X279N" SMD_1210_CAPC3225X279N 90.99,-48.4 r90 top
C115 "SMD_1210_CAPC3225X279N" SMD_1210_CAPC3225X279N 87.69,-48.4 r90 top
C116 "SMD_0603_CAPC1608X95N" SMD_0603_CAPC1608X95N 34.9,17.3 r90 top
C117 "SMD_0603_CAPC1608X95N" SMD_0603_CAPC1608X95N 89.3,17.3 r90 top
C118 "SMD_0603_CAPC1608X95N" SMD_0603_CAPC1608X95N 46.7,-17.3 r270 top
C119 "SMD_0603_CAPC1608X95N" SMD_0603_CAPC1608X95N 101.1,-17.3 r270 top
C120 "SMD_0402_CAPC1005X55N" SMD_0402_CAPC1005X55N 34.6,19.8 r90 top
C121 "SMD_0402_CAPC1005X55N" SMD_0402_CAPC1005X55N 89,19.8 r90 top
C122 "SMD_0402_CAPC1005X55N" SMD_0402_CAPC1005X55N 47,-19.8 r270 top
C123 "SMD_0402_CAPC1005X55N" SMD_0402_CAPC1005X55N 101.4,-19.8 r270 top
C124 "SMD_0603_CAPC1608X95N" SMD_0603_CAPC1608X95N 40.3,16.5 r0 top
C125 "SMD_0603_CAPC1608X95N" SMD_0603_CAPC1608X95N 94.7,16.5 r0 top
C126 "SMD_0603_CAPC1608X95N" SMD_0603_CAPC1608X95N 41.3,-16.5 r180 top
C127 "SMD_0603_CAPC1608X95N" SMD_0603_CAPC1608X95N 95.7,-16.5 r180 top
C128 "SMD_1210_CAPC3225X270N" SMD_1210_CAPC3225X270N 36.9,13.3 r90 top
C129 "SMD_1210_CAPC3225X270N" SMD_1210_CAPC3225X270N 42.6,9.2 r0 top
C130 "SMD_1210_CAPC3225X279N" SMD_1210_CAPC3225X279N 42.3,48.4 r270 top
C131 "SMD_1210_CAPC3225X279N" SMD_1210_CAPC3225X279N 35.7,48.4 r270 top
C132 "SMD_1210_CAPC3225X279N" SMD_1210_CAPC3225X279N 39,48.4 r270 top
C133 "SMD_1210_CAPC3225X270N" SMD_1210_CAPC3225X270N 91.3,13.3 r90 top
C134 "SMD_1210_CAPC3225X270N" SMD_1210_CAPC3225X270N 97,9.2 r0 top
C135 "SMD_1210_CAPC3225X279N" SMD_1210_CAPC3225X279N 96.7,48.4 r270 top
C136 "SMD_1210_CAPC3225X279N" SMD_1210_CAPC3225X279N 90.1,48.4 r270 top
C137 "SMD_1210_CAPC3225X279N" SMD_1210_CAPC3225X279N 93.4,48.4 r270 top
C138 "SMD_1210_CAPC3225X270N" SMD_1210_CAPC3225X270N 44.7,-13.3 r270 top
C139 "SMD_1210_CAPC3225X270N" SMD_1210_CAPC3225X270N 39,-9.2 r180 top
C140 "SMD_1210_CAPC3225X279N" SMD_1210_CAPC3225X279N 39.3,-48.4 r90 top
C141 "SMD_1210_CAPC3225X279N" SMD_1210_CAPC3225X279N 45.9,-48.4 r90 top
C142 "SMD_1210_CAPC3225X279N" SMD_1210_CAPC3225X279N 42.6,-48.4 r90 top
C143 "SMD_1210_CAPC3225X270N" SMD_1210_CAPC3225X270N 99.1,-13.3 r270 top
C144 "SMD_1210_CAPC3225X270N" SMD_1210_CAPC3225X270N 93.4,-9.2 r180 top
C145 "SMD_1210_CAPC3225X279N" SMD_1210_CAPC3225X279N 94.337,-48.4 r90 top
C146 "SMD_1210_CAPC3225X279N" SMD_1210_CAPC3225X279N 103.2,-49.3 r180 top
C147 "SMD_1210_CAPC3225X279N" SMD_1210_CAPC3225X279N 97.6,-48.4 r90 top
C148 "SMD_0603_CAPC1608X95N" SMD_0603_CAPC1608X95N 57.4,86.1 r270 top
C149 "SMD_0603_CAPC1608X95N" SMD_0603_CAPC1608X95N 59,86.1 r270 top
C150 "SMD_0603_CAPC1608X95N" SMD_0603_CAPC1608X95N 37.2,110.9 r0 top
C151 "SMD_0603_CAPC1608X95N" SMD_0603_CAPC1608X95N 37.2,109.3 r0 top
C152 "SMD_0603_CAPC1608X95N" SMD_0603_CAPC1608X95N 14.1,89 r90 top
C153 "SMD_0603_CAPC1608X95N" SMD_0603_CAPC1608X95N 12.5,89 r90 top
C154 "SMD_0603_CAPC1608X95N" SMD_0603_CAPC1608X95N 34.2,66.1 r180 top
C155 "SMD_0603_CAPC1608X95N" SMD_0603_CAPC1608X95N 34.2,64.5 r180 top
C156 "SMD_0603_CAPC1608X95N" SMD_0603_CAPC1608X95N 58.4,-88.8 r270 top
C157 "SMD_0603_CAPC1608X95N" SMD_0603_CAPC1608X95N 60,-88.8 r270 top
C158 "SMD_0603_CAPC1608X95N" SMD_0603_CAPC1608X95N 38.2,-64 r0 top
C159 "SMD_0603_CAPC1608X95N" SMD_0603_CAPC1608X95N 38.2,-65.6 r0 top
C160 "SMD_0603_CAPC1608X95N" SMD_0603_CAPC1608X95N 15.1,-85.9 r90 top
C161 "SMD_0603_CAPC1608X95N" SMD_0603_CAPC1608X95N 13.5,-85.9 r90 top
C162 "SMD_0603_CAPC1608X95N" SMD_0603_CAPC1608X95N 35.2,-108.8 r180 top
C163 "SMD_0603_CAPC1608X95N" SMD_0603_CAPC1608X95N 35.2,-110.4 r180 top
C164 "SMD_0603_CAPC1608X95N" SMD_0603_CAPC1608X95N 37.2,65 r90 top
C165 "SMD_0603_CAPC1608X95N" SMD_0603_CAPC1608X95N 52.5,109.6 r180 top
C166 "SMD_0603_CAPC1608X95N" SMD_0603_CAPC1608X95N 13.3,93 r0 top
C167 "SMD_0603_CAPC1608X95N" SMD_0603_CAPC1608X95N 30.2,65.3 r90 top
C168 "SMD_0603_CAPC1608X95N" SMD_0603_CAPC1608X95N 57.6,69.9 r90 top
C169 "SMD_0603_CAPC1608X95N" SMD_0603_CAPC1608X95N 58.4,89.2 r180 top
C170 "SMD_0603_CAPC1608X95N" SMD_0603_CAPC1608X95N 34.2,110.1 r270 top
C171 "SMD_0603_CAPC1608X95N" SMD_0603_CAPC1608X95N 13.1,86 r0 top
C172 "SMD_0603_CAPC1608X95N" SMD_0603_CAPC1608X95N 58.2,82.1 r180 top
C173 "SMD_0603_CAPC1608X95N" SMD_0603_CAPC1608X95N 41.2,110.1 r270 top
C174 "SMD_0603_CAPC1608X95N" SMD_0603_CAPC1608X95N 13.9,104.1 r270 top
C175 "SMD_0603_CAPC1608X95N" SMD_0603_CAPC1608X95N 19.1,65.9 r0 top
C176 "SMD_0603_CAPC1608X95N" SMD_0603_CAPC1608X95N 38.2,-109.9 r90 top
C177 "SMD_0603_CAPC1608X95N" SMD_0603_CAPC1608X95N 53.5,-65.3 r180 top
C178 "SMD_0603_CAPC1608X95N" SMD_0603_CAPC1608X95N 14.3,-81.9 r0 top
C179 "SMD_0603_CAPC1608X95N" SMD_0603_CAPC1608X95N 31.2,-109.6 r90 top
C180 "SMD_0603_CAPC1608X95N" SMD_0603_CAPC1608X95N 58.6,-105 r90 top
C181 "SMD_0603_CAPC1608X95N" SMD_0603_CAPC1608X95N 59.4,-85.7 r180 top
C182 "SMD_0603_CAPC1608X95N" SMD_0603_CAPC1608X95N 35.2,-64.8 r270 top
C183 "SMD_0603_CAPC1608X95N" SMD_0603_CAPC1608X95N 14.1,-88.9 r0 top
C184 "SMD_0603_CAPC1608X95N" SMD_0603_CAPC1608X95N 59.2,-92.8 r180 top
C185 "SMD_0603_CAPC1608X95N" SMD_0603_CAPC1608X95N 42.2,-64.8 r270 top
C186 "SMD_0603_CAPC1608X95N" SMD_0603_CAPC1608X95N 14.9,-70.8 r270 top
C187 "SMD_0603_CAPC1608X95N" SMD_0603_CAPC1608X95N 20.1,-109 r0 top
C188 "SMD_0603_CAPC1608X95N" SMD_0603_CAPC1608X95N 77.2,97 r0 top
C189 "SMD_0603_CAPC1608X95N" SMD_0603_CAPC1608X95N 77.2,82 r0 top
C190 "SMD_0603_CAPC1608X95N" SMD_0603_CAPC1608X95N 77.2,117 r0 top
C191 "SMD_0603_CAPC1608X95N" SMD_0603_CAPC1608X95N -3.8,102 r180 top
C192 "SMD_0603_CAPC1608X95N" SMD_0603_CAPC1608X95N -3.8,97 r180 top
C193 "SMD_0603_CAPC1608X95N" SMD_0603_CAPC1608X95N 77.2,52 r0 top
C194 "SMD_0603_CAPC1608X95N" SMD_0603_CAPC1608X95N 77.2,57 r0 top
C195 "SMD_0603_CAPC1608X95N" SMD_0603_CAPC1608X95N 77.2,62 r0 top
C196 "SMD_0603_CAPC1608X95N" SMD_0603_CAPC1608X95N -3.8,82 r180 top
C197 "SMD_0603_CAPC1608X95N" SMD_0603_CAPC1608X95N 77.2,67 r0 top
C198 "SMD_0603_CAPC1608X95N" SMD_0603_CAPC1608X95N 77.2,72 r0 top
C199 "SMD_0603_CAPC1608X95N" SMD_0603_CAPC1608X95N 77.2,77 r0 top
C200 "SMD_0603_CAPC1608X95N" SMD_0603_CAPC1608X95N 77.2,87 r0 top
C201 "SMD_0603_CAPC1608X95N" SMD_0603_CAPC1608X95N 77.2,92 r0 top
C202 "SMD_0603_CAPC1608X95N" SMD_0603_CAPC1608X95N 77.2,107 r0 top
C203 "SMD_0603_CAPC1608X95N" SMD_0603_CAPC1608X95N 77.2,112 r0 top
C204 "SMD_0603_CAPC1608X95N" SMD_0603_CAPC1608X95N -3.8,122 r180 top
C205 "SMD_0603_CAPC1608X95N" SMD_0603_CAPC1608X95N 85.2,117 r180 top
C206 "SMD_0603_CAPC1608X95N" SMD_0603_CAPC1608X95N 104.4,-41.8 r180 top
C207 "SMD_0603_CAPC1608X95N" SMD_0603_CAPC1608X95N -3.8,117 r180 top
C208 "SMD_0603_CAPC1608X95N" SMD_0603_CAPC1608X95N 103.2,-46.8 r180 top
C209 "SMD_0603_CAPC1608X95N" SMD_0603_CAPC1608X95N 85.2,122 r180 top
C210 "SMD_0603_CAPC1608X95N" SMD_0603_CAPC1608X95N 103.2,-51.8 r180 top
C211 "SMD_0603_CAPC1608X95N" SMD_0603_CAPC1608X95N 103.2,-121.8 r180 top
C212 "SMD_0603_CAPC1608X95N" SMD_0603_CAPC1608X95N 103.2,-106.8 r180 top
C213 "SMD_0603_CAPC1608X95N" SMD_0603_CAPC1608X95N -3.8,52 r180 top
C214 "SMD_0603_CAPC1608X95N" SMD_0603_CAPC1608X95N -3.8,57 r180 top
C215 "SMD_0603_CAPC1608X95N" SMD_0603_CAPC1608X95N -3.8,62 r180 top
C216 "SMD_0603_CAPC1608X95N" SMD_0603_CAPC1608X95N -3.8,67 r180 top
C217 "SMD_0603_CAPC1608X95N" SMD_0603_CAPC1608X95N -3.8,72 r180 top
C218 "SMD_0603_CAPC1608X95N" SMD_0603_CAPC1608X95N -3.8,77 r180 top
C219 "SMD_0603_CAPC1608X95N" SMD_0603_CAPC1608X95N 104.4,-36.8 r180 top
C220 "SMD_0603_CAPC1608X95N" SMD_0603_CAPC1608X95N -3.8,87 r180 top
C221 "SMD_0603_CAPC1608X95N" SMD_0603_CAPC1608X95N -3.8,92 r180 top
C222 "SMD_0603_CAPC1608X95N" SMD_0603_CAPC1608X95N 77.2,122 r0 top
C223 "SMD_0603_CAPC1608X95N" SMD_0603_CAPC1608X95N 103.2,-111.8 r180 top
C224 "SMD_0603_CAPC1608X95N" SMD_0603_CAPC1608X95N -3.8,107 r180 top